# Altium PCB Layout.PcbDoc (part 1 of 2) (continued)
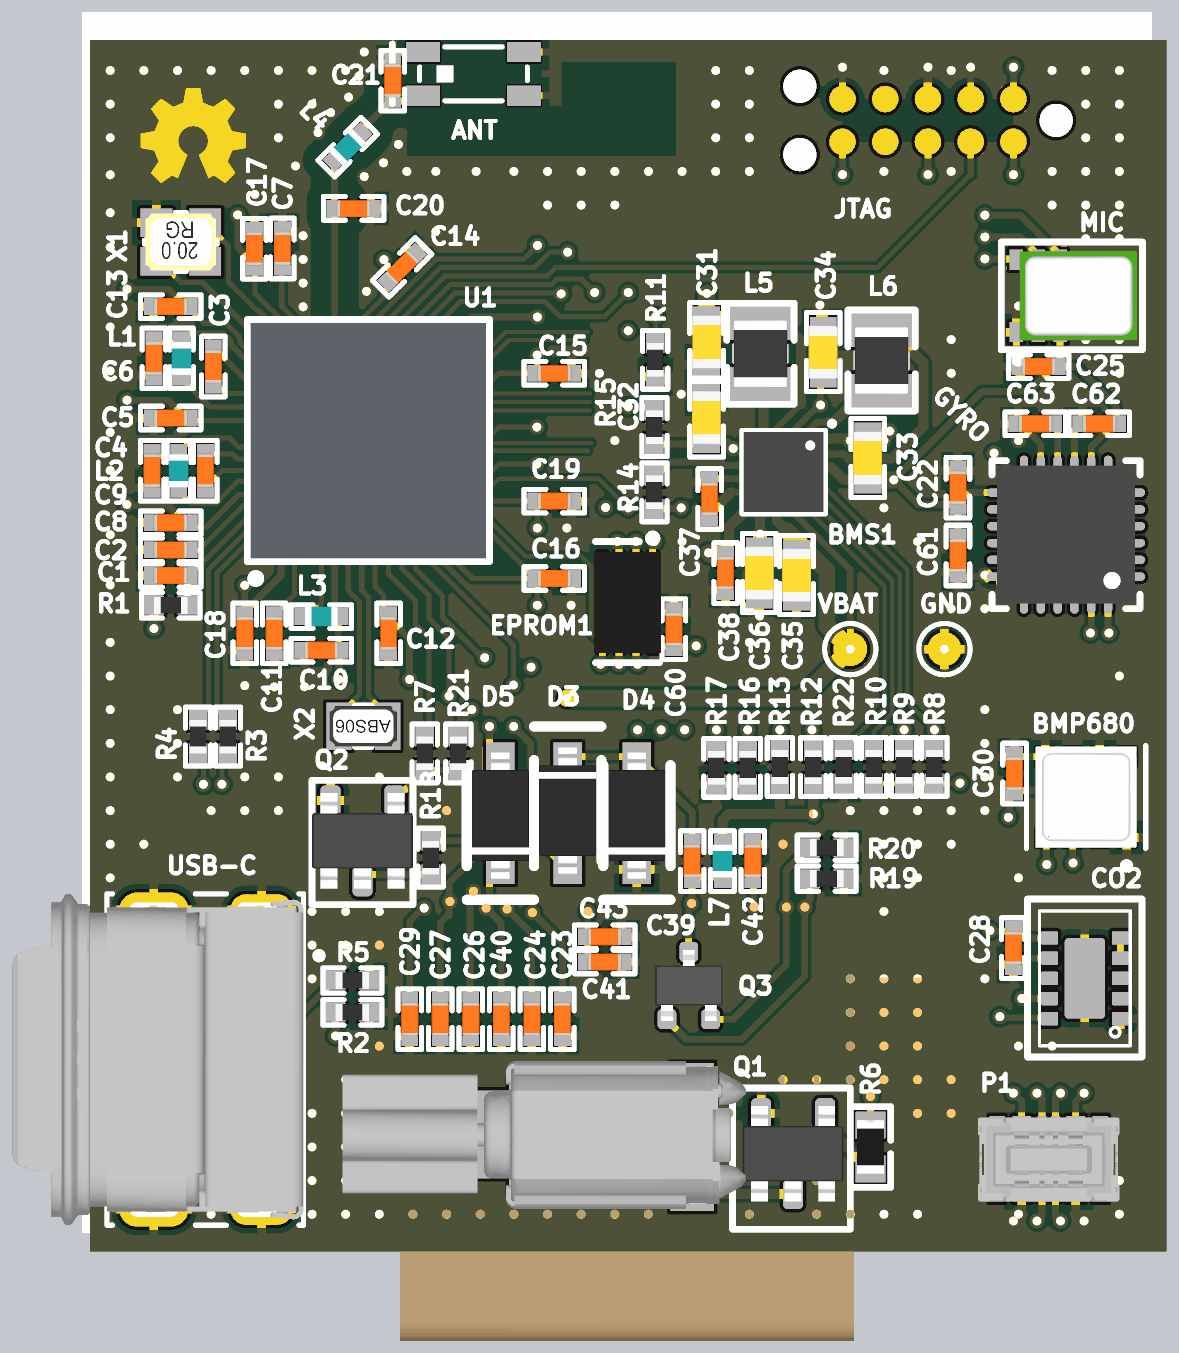
[diagram p7: 3D render of the assembled board from above, using the file's embedded part models]

## Layer stack, top to bottom
Top Solder: solder mask 0.0254, SM-001, Dk 4
Top Layer: signal copper 0.035
Dielectric 1: prepreg 0.0711, PP-006, Dk 4.1
Dielectric 2: prepreg 0.0711, PP-006, Dk 4.1
Int1 (GND): signal copper 0.035
Dielectric 3: core 0.4572, Core-035, Dk 4.7
Int2 (Sign): signal copper 0.035
Dielectric 4: prepreg 0.0711, PP-006, Dk 4.1
Dielectric 5: prepreg 0.0711, PP-006, Dk 4.1
Int3 (Sign): signal copper 0.035
Dielectric 6: core 0.4572, Core-035, Dk 4.7
Int4 (PWR): signal copper 0.035
Dielectric 7: prepreg 0.0711, PP-006, Dk 4.1
Dielectric 8: prepreg 0.0711, PP-006, Dk 4.1
Bottom Layer: signal copper 0.035
Bottom Solder: solder mask 0.0254, SM-001, Dk 4

## Board outline
25.4,22.9 57.4,22.9 57.4,58.9 25.4,58.9

## Design rules (kind name [scope] priority, off if disabled: settings)
Clearance [All] p1: gap=0.1 ignorepadtopadclearanceinfootprint=TRUE
ComponentClearance [All] p1 off: gap=0.254 collisioncheckmode=3 verticalgap=0.254 showdistances=FALSE
DiffPairsRouting [InDifferentialPair('DiffPair')] p1: maxlimit=0.254 minlimit=0.089 mostfreqgap=0.2 toplayer_minwidth=0.089 toplayer_maxwidth=0.381 toplayer_prefwidth=0.15 midlayer1_minwidth=0.089 midlayer1_maxwidth=0.381 midlayer1_prefwidth=0.15 midlayer2_minwidth=0.089 midlayer2_maxwidth=0.381 midlayer2_prefwidth=0.15 midlayer3_minwidth=0.089 midlayer3_maxwidth=0.381 midlayer3_prefwidth=0.15 midlayer4_minwidth=0.089 midlayer4_maxwidth=0.381 midlayer4_prefwidth=0.15 bottomlayer_minwidth=0.089 bottomlayer_maxwidth=0.381 bottomlayer_prefwidth=0.15 maxuncoupledlength=12.7
HoleSize [All] p1 off: absolutevalues=TRUE maxlimit=2.54 minlimit=0.025 maxpercent=80.000 minpercent=20.000
HoleToHoleClearance [All] p1 off: gap=0.254 allowstackedmicrovias=TRUE
MatchedLengths usb [InDifferentialPair('USB')] p1: tolerance=1 checknetsindiffpair=FALSE checkdiffpairvsdiffpair=TRUE checkxsignals=TRUE checkothers=TRUE
MinimumAnnularRing [IsVia] p1 off: minimumring=0.076
MinimumSolderMaskSliver [All] p1 off: minsoldermaskwidth=0.254
NetAntennae [All] p1 off: netantennaetolerance=0
PlaneConnect [InNet('NetC11_2')] p1: planeconnectstyle=Direct reliefexpansion=0.508 reliefentries=4 reliefconductorwidth=0.254 reliefairgap=0.254
PolygonConnect [All] p1: thpad.connectstyle=Relief thpad.reliefconductorwidth=0.254 thpad.reliefentries=4 thpad.polygonreliefangle="90 Angle" thpad.airgapwidth=0.254 smdpad.connectstyle=Relief smdpad.reliefconductorwidth=0.254 smdpad.reliefentries=4 smdpad.polygonreliefangle="90 Angle" smdpad.airgapwidth=0.254 via.connectstyle=Direct via.reliefconductorwidth=0.254 via.reliefentries=4 via.polygonreliefangle="90 Angle" via.airgapwidth=0.254
PolygonConnect 3V3MCU [InNet('NetC11_2')] p2: connectstyle=Direct reliefconductorwidth=0.254 reliefentries=4 polygonreliefangle="90 Angle" airgapwidth=0.254
PolygonConnect VBUSMCU [InNet('NetC12_2')] p3: connectstyle=Direct reliefconductorwidth=0.254 reliefentries=4 polygonreliefangle="90 Angle" airgapwidth=0.254
PolygonConnect VUSB [InNet('VUSB')] p4: connectstyle=Direct reliefconductorwidth=0 reliefentries=4 polygonreliefangle="90 Angle" airgapwidth=0
PolygonConnect viagnd [InNet('GND')] p5: thpad.connectstyle=Relief thpad.reliefconductorwidth=0.254 thpad.reliefentries=4 thpad.polygonreliefangle="90 Angle" thpad.airgapwidth=0.254 smdpad.connectstyle=Relief smdpad.reliefconductorwidth=0.254 smdpad.reliefentries=4 smdpad.polygonreliefangle="90 Angle" smdpad.airgapwidth=0.254 via.connectstyle=Direct via.reliefconductorwidth=0.254 via.reliefentries=4 via.polygonreliefangle="90 Angle" via.airgapwidth=0.254
RoutingVias [All] p1: holewidth=0.2 width=0.4 viastyle="Through Hole" minholewidth=0.1 minwidth=0.2 maxholewidth=6.3 maxwidth=1.27
SilkToSilkClearance [All] p1 off: silktosilkclearance=0.254
SilkToSolderMaskClearance [IsPad] p1 off: minsilkscreentomaskgap=0.254 clearancetoexposedcopper=TRUE
SolderMaskExpansion [All] p1: expansion=0.102 istentingtop=FALSE
Width [All] p1: maxlimit=1 minlimit=0.081 preferedwidth=0.15
21 further rules are at their usual default settings.

## Classes and differential pairs
component class Display: C23 C24 C26 C27 C29 C39 C40 C41 C42 C43 D1 D2 D3 D4 D5 L7 M1 Q1 Q2 Q3 R6 R7 R18 R19 R20 R21
component class Power: BMS1 C31 C32 C33 C34 C35 C36 C37 C38 GND L5 L6 R8 R9 R10 R11 R12 R13 R14 R15 R16 R17 R22 VBAT
component class Sensors: BMP680 C22 C25 C28 C30 C60 C61 C62 C63 CO2 EPROM1 GYRO MIC
component class nRF53: ANT C1 C2 C3 C4 C5 C6 C7 C8 C9 C10 C11 C12 C13 C14 C15 C16 C17 C18 C19 C20 C21 JTAG L1 L2 L3 L4 P1 R1 R2 R3 R4 R5 U1 USB-C X1 X2
differential pair DA: +DA_P -DA_N
differential pair USB: +USB_P -USB_N

## Components (designator, comment, footprint, x,y, rotation, side; value= is the part's Value field where it differs from the comment)
ANT "2450AT18D0100" "2450AT18D0100_STD-L - Thin space" 36.8,57.9 r0 top
BMP680 "BME680" "bme680 ic" 55.013,36.4 r270 top locked
BMS1 "ADP5360ACBZ-2-R7" BGA32C40P6X6_238X238X56 46.019,46.061 r270 top locked value=ADP536x
C1 "4.7uF" C0402 27.8,42.989 r0 top value=100pF
C2 "4.7uF" C0402 27.8,43.751 r0 top value=100pF
C3 "100nF" C0402 29.065,49.199 r270 top value=100pF
C4 "1uF" C0402 28.829,46.101 r90 top value=100pF
C5 "1uF" C0402 27.8,47.67 r0 top value=100pF
C6 "1uF" C0402 27.3,49.444 r90 top value=100pF
C7 "2.2nF" C0402 31.119,52.71 r270 top value=100pF
C8 "1uF" C0402 27.8,44.557 r0 top value=100pF
C9 "1uF" C0402 27.247,46.101 r90 top value=100pF
C10 "2.2uF" C0402 32.277,40.767 r0 top value=100pF
C11 "4.7uF" C0402 30.877,41.267 r90 top value=100pF
C12 "100nF" C0402 34.277,41.267 r90 top value=100pF
C13 "100nF" C0402 27.8,50.982 r0 top value=100pF
C14 "100nF" C0402 34.677,52.148 r225 top value=100pF
C15 "100nF" C0402 39.2,48.999 r180 top value=100pF
C16 "100nF" C0402 39.2,42.9 r180 top value=100pF
C17 "100nF" C0402 30.289,52.699 r270 top value=100pF
C18 "100nF" C0402 30,41.267 r90 top value=100pF
C19 "100nF" C0402 39.2,45.199 r180 top value=100pF
C20 "0.7pF" C0402 33.236,53.9 r180 top value=100pF
C21 "DNP" C0402 34.4,57.7 r270 top value=100pF
C22 "100nF" C0402 51.2,45.6 r90 top value=100pF
C23 "1uF" C0402 39.443,29.8 r270 top value=100pF
C24 "1uF" C0402 38.535,29.8 r270 top value=100pF
C25 "100nF" C0402 53.6,49.2 r0 top value=100pF
C26 "1uF" C0402 36.72,29.8 r270 top value=100pF
C27 "1uF" C0402 35.812,29.8 r270 top value=100pF
C28 "4.7uF" C0402 52.85,31.913 r90 top value=100pF
C29 "1uF" C0402 34.905,29.8 r270 top value=100pF
C30 "100nF" C0402 52.884,37.1 r90 top value=100pF
C31 "10uF" C0603 43.729,49.93 r90 top value=100pF
C32 "10uF" C0603 43.729,47.682 r270 top value=100pF
C33 "10uF" C0603 48.522,46.479 r270 top value=100pF
C34 "10uF" C0603 47.198,49.629 r270 top value=100pF
C35 "10uF" C0603 46.4,43 r90 top value=100pF
C36 "10uF" C0603 45.294,43.061 r90 top value=100pF
C37 "1uF" C0402 43.819,45.261 r270 top value=100pF
C38 "2.2uF" C0402 44.294,43.061 r90 top value=100pF
C39 "4.7uF" C0402 43.3,34.5 r270 top value=100pF
C40 "1uF" C0402 37.628,29.8 r270 top value=100pF
C41 "4.7uF" C0402 40.7,31.5 r0 top value=100pF
C42 "1uF" C0402 45.1,34.5 r270 top value=100pF
C43 "1uF" C0402 40.7,32.249 r0 top value=100pF
C60 "100nF" C0402 42.757,41.392 r270 top value=100pF
C61 "2.2uF" C0402 51.2,43.584 r270 top value=100pF
C62 "10nF" C0402 55.4,47.5 r0 top value=100pF
C63 "470nF" C0402 53.5,47.5 r180 top value=100pF
CO2 "CCS811B-JOPR" ccs811 54.974,31.013 r180 top locked
D1 "ER-TFT1.54-1" "IPS 1.54 inches" 45.038,36.068 r180 bottom locked
D2 "GDEW0154T8D" "E-Papaer 1.54inches" 47.124,30.734 r180 bottom locked
D3 "MBR0530" SOD-123 39.6,34.25 r90 top
D4 "MBR0530" SOD-123 41.657,37.6 r270 top
D5 "MBR0530" SOD-123 37.6,37.6 r270 top
EPROM1 "M95512-A125" M95512-A125 42.128,43.497 r270 top
GND "DNP" TP_SMD_1.0mm 50.8,40.8 r270 top
GYRO "ICM-20689" QFN50P400X400X90_HS-25N 54.414,44.203 r180 top locked
JTAG "FTSH-105-01-F-DV-K-TR" TC2050-IDC-NLFP 50.31,56.516 r180 top value="Pin Header 2x5, 1.27mm"
L1 "10uH" IND0402 28.12,49.444 r270 top value=120R/0.55A
L2 "10uH" IND0402 28.038,46.101 r270 top value=120R/0.55A
L3 "10uH" IND0402 32.277,41.767 r0 top value=120R/0.55A
L4 "2.2nH" IND0402 33.06,55.723 r225 top value=120R/0.55A
L5 "4.7uH" IND2016 45.329,49.482 r90 top value=120R/0.55A
L6 "4.7uH" IND2016 48.929,49.282 r90 top value=120R/0.55A
L7 "10uH" IND0402 44.2,34.5 r270 top value=120R/0.55A
M1 "Z43FM1B8230001L" Z43FM1B8230001L 43.3,24.65 r0 top locked
MIC "ICS-43432" MIC_ICS-43432 53.587,51.3 r90 top locked
P1 "5050040812" 5050040812 56.167,23.52 r90 top locked
Q1 "BC816-25HVL" SOT23-3 46.3,25.8 r90 top
Q2 "BC816-25HVL" SOT23-3 33.5,35.1 r90 top
Q3 "Si1308EDL" SOT323 43.2,30.8 r270 top
R1 "4R7" RES0402 27.8,42.1 r180 top value=0R
R2 "5.1K" RES0402 33.2,30 r0 top value=0R
R3 "22R" RES0402 29.5,38.2 r90 top value=0R
R4 "22R" RES0402 28.611,38.2 r90 top value=0R
R5 "5.1K" RES0402 33.2,30.95 r180 top value=0R
R6 "220R" RES0603R 48.6,26 r270 top value=0R
R7 "1K" RES0402 35.35,37.7 r270 top value=0R
R8 "10K" RES0402 50.5,37.3 r90 top value=0R
R9 "10K" RES0402 49.6,37.3 r90 top value=0R
R10 "10K" RES0402 48.7,37.3 r90 top value=0R
R11 "DNP" RES0402 42.2,49.4 r270 top value=0R
R12 "10K" RES0402 46.9,37.29 r90 top value=0R
R13 "10K" RES0402 45.905,37.295 r90 top value=0R
R14 "10K" RES0402 42.179,45.461 r90 top value=0R
R15 "10K" RES0402 42.179,47.4 r90 top value=0R
R16 "10K" RES0402 44.952,37.271 r270 top value=0R
R17 "10K" RES0402 44.021,37.271 r270 top value=0R
R18 "10R" RES0402 35.524,34.6 r90 top value=0R
R19 "10K" RES0402 47.3,33.978 r180 top value=0R
R20 "3R" RES0402 47.3,34.9 r180 top value=0R
R21 "10K" RES0402 36.35,37.7 r270 top value=0R
R22 "100K" RES0402 47.8,37.3 r270 top value=0R
U1 "nRF5340-QKAA" nRF5340 33.677,46.999 r90 top locked
USB-C "2305018-2" TE_2305018-2_2305018-2(Primary) 27.3,28.6 r270 top locked
VBAT "DNP" TP_SMD_1.0mm 48,40.8 r270 top
X1 "32MHz" XTAL_2016 28.1,52.9 r180 top
X2 "32.768kHz" XTAL_2012 33.525,38.506 r180 top

## Footprints (in the part's own frame and the unit in brackets; to place one, negate y for a bottom-side part, rotate by r counter-clockwise, add the part's x,y. Pads: shape width x height; smd on the part's side, far side on the other; paste and mask are expansions set on the pad)
"2450AT18D0100_STD-L - Thin space" [mm] "2.45GHz antenna for thin spaces"
  rect 1x0.6 smd mask+0.051: 1(-1.5,-0.65) 2(-1.5,0.65) 2(1.5,-0.65) 2(1.5,0.65)
  Top Layer pour cut-out: -1.982,-2.445 -1.982,-0.945 6.018,-0.945 6.018,-2.445
  Top Layer pour cut-out: 2.618,-2.445 2.618,0.355 6.018,0.355 6.018,-2.445
  Top Layer pour cut-out: -1.982,-2.445 -1.982,0.955 2.018,0.955 2.018,-2.445
  Bottom Layer pour cut-out: 2.618,-2.445 2.618,0.355 6.018,0.355 6.018,-2.445
  Bottom Layer pour cut-out: -1.982,-2.445 -1.982,-0.945 6.018,-0.945 6.018,-2.445
  Bottom Layer pour cut-out: -1.982,-2.445 -1.982,0.955 2.018,0.955 2.018,-2.445
  silkscreen extent -2.41,-0.89 1.6,0.89, body extent -1.61,-0.81 1.61,0.81, height 1.2
5050040812 [mm] "0.8mm height mated board to board connector"
  rect 0.45x0.55 smd: 1(1.08,3.067) 4(1.08,1.467) 5(3.18,1.467) 8(3.18,3.067)
  rect 0.45x0.26 smd: 2(1.08,2.467) 3(1.08,2.067) 6(3.18,2.067) 7(3.18,2.467)
  rect 0.3x0.45 smd: 9(1.005,3.797) 9(1.005,0.737) 9(3.255,0.737) 9(3.255,3.797)
  body extent 0.85,0.17 3.35,4.37, height 0.73
BGA32C40P6X6_238X238X56 [mm]
  round 0.21 smd: A1(-1,1) A2(-0.6,1) A3(-0.2,1) A4(0.2,1) A5(0.6,1) A6(1,1) B1(-1,0.6) B2(-0.6,0.6) B3(-0.2,0.6) B4(0.2,0.6) B5(0.6,0.6) B6(1,0.6) C1(-1,0.2) C2(-0.6,0.2) C5(0.6,0.2) C6(1,0.2) D1(-1,-0.2) D2(-0.6,-0.2) D5(0.6,-0.2) D6(1,-0.2) E1(-1,-0.6) E2(-0.6,-0.6) E3(-0.2,-0.6) E4(0.2,-0.6) E5(0.6,-0.6) E6(1,-0.6) F1(-1,-1) F2(-0.6,-1) F3(-0.2,-1) F4(0.2,-1) F5(0.6,-1) F6(1,-1)
  silkscreen extent -1.49,-1.25 1.25,1.49, body extent -1.19,-1.19 1.19,1.19, height 0.56
"bme680 ic" [mm]
  rect 0.5x0.5 smd: 1(1.2,1.2) 2(1.2,0.4) 3(1.2,-0.4) 4(1.2,-1.2) 5(-1.2,-1.22) 6(-1.2,-0.4) 7(-1.2,0.4) 8(-1.2,1.2)
  silkscreen extent -1.53,-1.77 2.14,1.77, body extent -1.5,-1.5 1.5,1.5, height 0.93
C0402 [mm]
  rect 0.6x0.5 smd: 1(-0.5,0) 2(0.5,0)
  silkscreen extent -0.9,-0.35 0.9,0.35, body extent -0.51,-0.25 0.51,0.25, height 0.5
C0603 [mm]
  rect 0.75x0.8 smd: 1(-0.675,0) 2(0.675,0)
  silkscreen extent -1.17,-0.5 1.17,0.5, body extent -0.8,-0.44 0.8,0.43, height 0.8
ccs811 [mm]
  rrect20% 0.5x0.4 smd: 1(-1.05,1.2) 2(-1.05,0.6) 3(-1.05,0) 4(-1.05,-0.6) 5(-1.05,-1.2) 6(1.05,-1.2) 7(1.05,-0.6) 8(1.05,0) 9(1.05,0.6) 10(1.05,1.2)
  rrect20% 1.2x2.4 smd: 11(0,0)
  silkscreen extent -1.7,-2.36 1.7,2.34, body extent -1.35,-2 1.35,2, height 1.11
"E-Papaer 1.54inches" [mm]
  rect 0.35x3.6 smd: 1(0,0) 2(0.5,0) 3(1,0) 4(1.5,0) 5(2,0) 6(2.5,0) 7(3,0) 8(3.5,0) 9(4,0) 10(4.5,0) 11(5,0) 12(5.5,0) 13(6,0) 14(6.5,0) 15(7,0) 16(7.5,0) 17(8,0) 18(8.5,0) 19(9,0) 20(9.5,0) 21(10,0) 22(10.5,0) 23(11,0) 24(11.5,0)
  body extent -9.85,-10.5 21.98,29.01, height 1.44
IND0402 [mm]
  rect 0.65x0.5 smd: 1(-0.475,0) 2(0.475,0)
  silkscreen extent -0.9,-0.35 0.9,0.35, body extent -0.5,-0.3 0.5,0.3, height 0.5
IND2016 [mm] "Shielded Multilayer Inductor, 1.2A, ±20%, 110mOhm, Q=10 @ 1MHz"
  rect 1x1.8 smd: 1(-0.8,0) 2(1,0)
  silkscreen extent -1.4,-1 1.6,1, body extent -0.9,-0.8 1.1,0.8, height 1
"IPS 1.54 inches" [mm]
  rect 0.35x3.6 smd: 1(7.7,0) 2(7,0) 3(6.3,0) 4(5.6,0) 5(4.9,0) 6(4.2,0) 7(3.5,0) 8(2.8,0) 9(2.1,0) 10(1.4,0) 11(0.7,0) 12(0,0)
  body extent -11.87,-11 19.52,22.78, height 1.57
M95512-A125 [mm] "SPI EPROM"
  rect 0.35x0.25 smd: 1(0,0) 2(0,-0.5) 3(0,-1) 4(0,-1.5) 5(2.625,-1.5) 6(2.625,-1) 7(2.625,-0.5) 8(2.625,0)
  rect 1.3x1.3 smd: 4(1.312,-0.75)
  silkscreen extent -0.7,-1.7 3.1,0.2, body extent -0.19,-1.75 2.81,0.25, height 0.75
MIC_ICS-43432 [mm]
  rect 0.6x0.4 smd: 1(-1.075,0.65) 2(-1.075,0) 3(-1.075,-0.65) 5(1.075,-0.65) 6(1.075,0) 7(1.075,0.65)
  rect 0.1x0.1 smd: 4(0,-2.5)
  round 0.5 hole 0.5 unplated: None(0,-1.925)
  Top Layer region: 250 vertices and 0 holes, not listed, extent -0.82,-2.75 0.82,-1.1
  silkscreen extent -2,-3.1 1.6,1.1, body extent -1.33,-2.95 1.32,0.55, height 0.98
nRF5340 [mm] "Nordic Semiconductor"
  rect 5.4x5 smd paste-5 mask+0.05: 104(0.2,0)
  round 0.4 smd paste+0.012 mask+0.05: A1(-3.2,3.2) A31(3.2,3.2) AL1(-3.2,-3.2) AL31(3.2,-3.2)
  round 0.225 smd paste+0.012 mask+0.05: A5(-2.2,3.2) A13(-0.6,3.2) A15(-0.2,3.2) A17(0.2,3.2) A19(0.6,3.2) A21(1,3.2) A23(1.4,3.2) A25(1.8,3.2) A27(2.2,3.2) AA1(-3.2,-1) AA31(3.2,-1) AB2(-2.8,-1.2) AC1(-3.2,-1.4) AC31(3.2,-1.4) AD2(-2.8,-1.6) AE1(-3.2,-1.8) AE31(3.2,-1.8) AF2(-2.8,-2) AG1(-3.2,-2.2) AG31(3.2,-2.2) AH2(-2.8,-2.4) AJ1(-3.2,-2.6) AJ31(3.2,-2.6) AK2(-2.8,-2.8) AK4(-2.4,-2.8) AK6(-2,-2.8) AK8(-1.6,-2.8) AK10(-1.2,-2.8) AK12(-0.8,-2.8) AK14(-0.4,-2.8) AK16(0,-2.8) AK18(0.4,-2.8) AK20(0.8,-2.8) AK22(1.2,-2.8) AK24(1.6,-2.8) AK26(2,-2.8) AK28(2.4,-2.8) AK30(2.8,-2.8) AL3(-2.6,-3.2) AL5(-2.2,-3.2) AL7(-1.8,-3.2) AL9(-1.4,-3.2) AL11(-1,-3.2) AL13(-0.6,-3.2) AL15(-0.2,-3.2) AL17(0.2,-3.2) AL19(0.6,-3.2) AL21(1,-3.2) AL23(1.4,-3.2) AL25(1.8,-3.2) AL27(2.2,-3.2) AL29(2.6,-3.2) B2(-2.8,2.8) B4(-2.4,2.8) B6(-2,2.8) B8(-1.6,2.8) B10(-1.2,2.8) B12(-0.8,2.8) B14(-0.4,2.8) B16(0,2.8) B18(0.4,2.8) B20(0.8,2.8) B22(1.2,2.8) B24(1.6,2.8) B26(2,2.8) B28(2.4,2.8) B30(2.8,2.8) C1(-3.2,2.6) C31(3.2,2.6) D2(-2.8,2.4) E1(-3.2,2.2) E31(3.2,2.2) F2(-2.8,2) G1(-3.2,1.8) G31(3.2,1.8) H2(-2.8,1.6) J1(-3.2,1.4) J31(3.2,1.4) K2(-2.8,1.2) L1(-3.2,1) L31(3.2,1) M2(-2.8,0.8) N1(-3.2,0.6) N31(3.2,0.6) P2(-2.8,0.4) R1(-3.2,0.2) R31(3.2,0.2) T2(-2.8,0) U1(-3.2,-0.2) U31(3.2,-0.2) V2(-2.8,-0.4) W1(-3.2,-0.6) W31(3.2,-0.6) Y2(-2.8,-0.8)
  rrect50% 1.1x1 on Top Paste: ""(-1.75,-1.8) ""(-1.75,-0.6) ""(-1.75,0.6) ""(-1.75,1.8) ""(-0.45,1.8) ""(-0.45,-0.6) ""(-0.45,0.6) ""(-0.45,-1.8) ""(0.85,1.8) ""(0.85,-0.6) ""(0.85,0.6) ""(0.85,-1.8) ""(2.15,-1.8) ""(2.15,-0.6) ""(2.15,0.6) ""(2.15,1.8)
  silkscreen extent -4.22,-3.6 3.6,3.6, body extent -3.5,-3.5 3.5,3.5, height 0.85
QFN50P400X400X90_HS-25N [mm] "QFN, 24-Leads, Body 4.00x4.00mm, Pitch 0.50mm, Thermal Pad 2.60x2.70mm, IPC Medium Density"
  oval 0.8x0.25 smd: 1(-1.95,1.25) 2(-1.95,0.75) 3(-1.95,0.25) 4(-1.95,-0.25) 5(-1.95,-0.75) 6(-1.95,-1.25) 13(1.95,-1.25) 14(1.95,-0.75) 15(1.95,-0.25) 16(1.95,0.25) 17(1.95,0.75) 18(1.95,1.25)
  oval 0.25x0.8 smd: 7(-1.25,-1.95) 8(-0.75,-1.95) 9(-0.25,-1.95) 10(0.25,-1.95) 11(0.75,-1.95) 12(1.25,-1.95) 19(1.25,1.95) 20(0.75,1.95) 21(0.25,1.95) 22(-0.25,1.95) 23(-0.75,1.95) 24(-1.25,1.95)
  rect 2.6x2.6 smd: 25(0,0)
  silkscreen extent -2.2,-2.2 2.2,2.2, body extent -2.05,-2.05 2.05,2.05, height 0.9
RES0402 [mm]
  rect 0.6x0.55 smd: 1(-0.5,0) 2(0.5,0)
  silkscreen extent -0.87,-0.38 0.88,0.38, body extent -0.5,-0.25 0.5,0.25, height 0.3
RES0603R [mm] "resistor 0603 reflow soldering"
  rect 0.8x0.9 smd: 1(-0.65,0) 2(0.65,0)
  silkscreen extent -1.2,-0.6 1.2,0.6, body extent -0.8,-0.4 0.8,0.4, height 0.45
SOD-123 [mm] "Diode"
  rect 0.85x0.85 smd: 1(0,0) 2(3.35,0)
  silkscreen extent 0.25,-1 4.25,1, body extent -0.13,-0.85 3.62,0.85, height 1.2
SOT23-3 [mm] "SOT23, 5-Leads, Body 2.95x2.80mm, Pitch 0.95mm, IPC High Density"
  rrect50% 0.9x0.6 smd: 1(1.2,-0.95) 2(-1.2,0) 3(1.2,0.95)
  silkscreen extent -2.24,-1.7 1.96,1.8, body extent -1.42,-1.5 1.42,1.5, height 1.2
SOT323 [mm] "Si1308EDL"
  rrect50% 0.6x0.559 smd: 1(1,-0.65) 2(1,0.65) 3(-1,0)
  silkscreen extent 0,-0.9 0,0.9, body extent -1.05,-1 1.05,1, height 1.1
TC2050-IDC-NLFP [mil]
  round 39 hole 39 unplated: 0(-150,0) 0(150,-40) 0(150,40)
  round 31 smd paste-196.85: 1(-100,-25) 2(-100,25) 3(-50,-25) 4(-50,25) 5(0,-25) 6(0,25) 7(50,-25) 8(50,25) 9(100,-25) 10(100,25)
  Top Layer pour cut-out: -100,25 -100,-25 100,-25 100,25
TE_2305018-2_2305018-2(Primary) [mm]
  rect 0.25x0.75 smd: A1(-3.05,3.375) A2(-2.25,3.375) A3(-1.75,3.375) A4(-1.25,3.375) A5(-0.75,3.375) A6(-0.25,3.375) A7(0.25,3.375) A8(0.75,3.375) A9(1.25,3.375) A10(1.75,3.375) A11(2.25,3.375) A12(3.05,3.375) B1(3,2.125) B2(2.5,2.125) B3(2,2.125) B4(1.5,2.125) B5(1,2.125) B6(0.5,2.125) B7(-0.5,2.125) B8(-1,2.125) B9(-1.5,2.125) B10(-2,2.125) B11(-2.5,2.125) B12(-3,2.125)
  rect 0.3x0.75 smd: G1(-3.55,3.375) G2(3.55,3.375)
  oval 1.025x2.05 hole 0.45 slot 1.45 at 90 deg: S1(-4.45,0) S2(4.45,0)
  oval 0.925x1.85 hole 0.45 slot 1.45 at 90 deg: S3(-4.45,3.2) S4(4.45,3.2)
  silkscreen extent -4.92,-1.4 4.92,5.01, body extent -4.92,-4.2 4.92,4.45, height 3.53
TP_SMD_1.0mm [mm]
  round 1 smd paste-5: 1(0,0)
  silkscreen extent -0.76,-0.76 0.76,0.76
XTAL_2012 [mm]
  rect 0.75x1.4 smd: 1(-0.725,0) 2(0.725,0)
  silkscreen extent -0.24,-0.6 0.24,0.6, body extent -1,-0.61 1,0.61, height 0.6
XTAL_2016 [mm]
  rect 0.95x0.85 smd: 1(-0.725,-0.575) 2(0.725,-0.575) 3(0.725,0.575) 4(-0.725,0.575)
  silkscreen extent -1.08,-0.88 1.08,0.88, body extent -1.05,-0.85 1.05,0.85, height 0.56
Z43FM1B8230001L [mm] "SMD Vibration Motor"
  rect 1.3x1.1 smd: 1(0,0) 2(0,3.3)
  rect 1x1 smd: 3(-5.895,0.918) 3(-5.895,2.528)
  rect 4.3x3.4 smd: 3(-3.3,1.65)
  rect 1.5x0.6 smd: 3(-0.46,1.65)
  body extent -10.39,-0.49 1.61,3.91, height 3.48

## Part data
ANT: "2.45 GHz chip antenna", Manufacturer="Johanson Technology", Part Number="Johanson 2450AT18D0100_STD-L", Part number IPS=N.A., Supplier Part Number 1=2450AT18D0100E, Artikkelnr Noca=53059035, ComponentLink1Description=Datasheet, ComponentLink2Description="Supplier link", Footprint Doc=2450AT18D0100, HelpURL=http://www.johansontechnology.com/datasheets/antennas/2450AT18D0100.pdf, LatestRevisionDate=2016-06-02, Manufacturer Part Number=2450AT18D0100, Pin Count=4, Published=2016-01-12, Publisher="Nordic Semiconductor", Supplier 1=Digi-Key, Supplier 2=Mouser, Supplier Part Number 2=609-2450AT18D0100E
BMP680: "Gas, Humidity, Pressure, Temperature Sensor IÂ²C, SPI Output", Package="LGA-8 Bosch Tools", Supplier Part Number 1=828-1077-1-ND, ComponentLink1Description=Datasheet, ComponentLink1URL=https://www.bosch-sensortec.com/products/environmental-sensors/gas-sensors-bme680/, Digi-Key_Part_Number=828-1077-1-ND, Digi-Key_Purchase_URL=https://www.digikey.com/product-detail/en/bosch-sensortec/BME680/828-1077-1-ND/7401321?utm_source=snapeda&utm_medium=aggregator&utm_campaign=symbol, MF="Bosch Sensortec", MP=BME680, SnapEDA_Link=https://www.snapeda.com/parts/BME680/Bosch%20Sensortec/view-part/947201/?ref=snap, Supplier 1=Digi-Key
BMS1: "Advanced Battery Management PMIC With Ultralow Iq Buck and Buck-Boost. Order: ADP5360ACBZ-2-R7", Manufacturer="Analog Devices", Manufacturer Part Number=ADP536x, Part number IPS=80000001823, Artikkelnr Noca=N.A., ComponentLink1Description=Datasheet, ComponentLink2Description="Supplier link", Footprint Doc=WLCSP-32, LatestRevisionDate=2019-03-25, Part Number=ADP536x, Pin Count=32, Published=2019-03-25, Publisher="Nordic Semiconductor"
C1 C2 C3 C4 C5 C6 C7 C8 C9 C10 C11 C12 C13 C14 C15 C16 C17 C18 C19 C20 C21 C22 C23 C24 C25 C26 C27 C28 C29 C30 C31 C32 C33 C34 C35 C36 C37 C38 C39 C40 C41 C42 C43 C60 C61 C62 C63: library part CAP, "Capacitor", Published=8-Jun-2000, Publisher="Altium Limited", Revision="July-2002: Re-released for DXP Platform."
CO2: library part CCS811, "CO2 and VOC sensor", Supplier Part Number 1=CCS811B-JOPR5KCT-ND, ComponentLink1Description=Datasheet, ComponentLink1URL=https://ams.com/ccs811, Manufacturer Part Number=CCS811, Supplier 1=Digi-Key
D1: library part "IPS 1.54 inch", "IPS display 1.54 inch SPI"
D2: library part "E-Paper 1.54 inch", "E-Paper 1.54 inch with integrated driver"
D3 D4 D5: library part Diode, "Switch-mode Schottky / Power Rectifier / 250 V, 40 A"
EPROM1: library part "Flash SPI", "EPROM M95512-A125 512K", Supplier Part Number 1=363-GD25Q16CEIGR, Supplier 1=Mouser
GND VBAT: library part TP
GYRO: "ICM-20689 6 aksis gyro"
JTAG: "Pin Header 2x5, 1.27mm (50mil), SMD, Keying Shroud", Manufacturer=W-CON, Manufacturer Part Number=3132-10MS0BK00R1, Part Number="Pin Header 2x5 SMD, 1.27mm, KS", Part number IPS=N.A., Artikkelnr Noca=55010009, ComponentLink1Description=Datasheet, ComponentLink2Description="Supplier link", Footprint Doc=HDR_2x5-SMD-1.27mm, HelpURL=\\hizz\pro\app9717\Datasheet\connectores\W-CON\3132-XXMXXBK00XX.pdf, LatestRevisionDate=2016-04-21, Pin Count=10, Published=2016-01-22, Publisher="Nordic Semiconductor", Supplier 1=Cabcon, Supplier 2=Samtec, Supplier Part Number 1=3132-10MS0BK00R1, Supplier Part Number 2=FTSH-105-01-F-DV-K
L1 L2 L3 L4 L5 L6 L7: "Inductor", Manufacturer=Murata, Manufacturer Part Number=BLM15AG121SN1D, Part Number=FB0402-120R@100M-500mA, Part number IPS=N.A., Artikkelnr Noca=33029317, ComponentLink1Description=Datasheet, ComponentLink2Description="Supplier link", Footprint Doc=0402, HelpURL=http://search.murata.co.jp/Ceramy/image/img/PDF/ENG/L0110S0100BLM15A_SN.pdf, LatestRevisionDate=2014-01-10, Note="Chip EMIFIL Inductor Type Chip Ferrite Bead", Pin Count=2, Published=2011-11-14, Publisher="Nordic Semiconductor"
M1: library part "Vibration Motor", "SMD Vibration Motor / https://www.vibration-motor.com/cylindrical-vibrator-motors/smt-surface-mount-reflow/z43fm1b8230001l", ComponentLink1Description=Manufacturer, ComponentLink1URL=https://www.vibration-motor.com/cylindrical-vibrator-motors/smt-surface-mount-reflow/z43fm1b8230001l
MIC: "50Hz ~ 20kHz Digital, IÂ²S Microphone MEMS _Silicon_ 1.62V ~ 3.63V Omnidirectional _-26dB Â±1dB @ 94dB SPL_ Solder Pads", Package="LGA-7 TDK-InvenSense", Supplier Part Number 1=1428-1053-1-ND, Availability=Unavailable, MF="TDK InvenSense", MP=ICS-43432, Price=None, SnapEDA_Link=https://www.snapeda.com/parts/ICS-43432/TDK%20InvenSense/view-part/63105/?ref=snap, Supplier 1=Digi-Key
P1: library part "8 Pin Connector", "Generic 8 pin connector, see footprint for MPN"
Q1 Q2 Q3: library part Transistor, "N-Channel 20V 100mA _Ta_ 150mW _Ta_ Surface Mount VMT3", Package="SOT-723 Rohm", Digi-Key_Part_Number=RUM001L02T2CLCT-ND, Digi-Key_Purchase_URL=https://www.digikey.com/product-detail/en/rohm-semiconductor/RUM001L02T2CL/RUM001L02T2CLCT-ND/4571412?utm_source=snapeda&utm_medium=aggregator&utm_campaign=symbol, MF=Rohm, MP=RUM001L02T2CL, SnapEDA_Link=https://www.snapeda.com/parts/RUM001L02T2CL/Rohm/view-part/531428/?ref=snap
R1 R2 R3 R4 R5 R6 R7 R8 R9 R10 R11 R12 R13 R14 R15 R16 R17 R18 R19 R20 R21 R22: "Resistor, ±5%, 0.05W", Part Number=R0201-0R, Part number IPS=00000003245, Artikkelnr Noca=N.A., ComponentLink1Description=Datasheet, ComponentLink2Description="Supplier link", Footprint Doc=0201, LatestRevisionDate=2017-11-09, Note="Chip Res 5%", Pin Count=2, Published=2014-11-13, Publisher="Nordic Semiconductor"
U1: "Multi-protocol Bluetooth Low Energy, IEEE 802.15.4, ANT and 2.4GHz proprietary system-on-chip", Manufacturer="Nordic Semiconductor", Part Number=nRF5340-QKAADA, Part number IPS=N.A., Artikkelnr Noca=N.A., ComponentLink1Description=Datasheet, ComponentLink2Description="Supplier link", Footprint Doc=AQFN-98, LatestRevisionDate=2019-03-28, Pin Count=98, Published=2017-01-09, Publisher="Nordic Semiconductor", Supplier 1="Nordic Semiconductor", Supplier Part Number 1=nRF5340-QKAADA
USB-C: library part "IPX8 USBC", "TYPE C Right Angle Sealable SMT IPX8 3.1 GEN 2 Wire to Board USB", Package=None, Availability=Unavailable, MF="TE Connectivity", MP=2305018-2, Price=None, SnapEDA_Link=https://www.snapeda.com/parts/2305018-2/TE%20Connectivity%20AMP%20Connectors/view-part/?ref=snap, TE_purchase_URL=https://www.te.com/usa-en/product-2305018-2.html?te_bu=Cor&te_type=disp&te_campaign=seda_glo_cor-seda-global-disp-prtnr-fy19-seda-model-bom-cta_sma-317_1&elqCampaignId=32493
X1: "XTAL SMD 2016, 32MHz, Cl=8pF, Total Tol: ±40ppm", Part Number=XTAL_SMD2016_32MHz_8pF_General, Footprint Doc=XTAL_2016, LatestRevisionDate=2016-08-19, Pin Count=4, Published=2016-08-19, Publisher="Nordic Semiconductor"
X2: "XTAL SMD 32.768kHz, 9pF, ±20ppm", Manufacturer=NDK, Manufacturer Part Number=NX3215SA-32.768K-STD-MUA-9, Part Number=XTAL_SMD3215_32.768kHz_9pF_NDK, Part number IPS=N.A., Supplier Part Number 1=535-11937-6-ND, Artikkelnr Noca=22010049, ComponentLink1Description=Datasheet, ComponentLink2Description="Supplier link", Footprint Doc=XTAL_3215, LatestRevisionDate=2017-10-23, Note="XTAL SMD 32.768kHz", Pin Count=2, Published=2017-10-23, Publisher="Nordic Semiconductor", Supplier 1=Digi-Key

## Via types
v1: diameter 0.45, hole 0.25, Top Layer to Bottom Layer, tented both sides, 343 vias
v2: diameter 0.2, hole 0.1, Top Layer to Int1 (GND), tented both sides, 33 vias
v3: diameter 0.61, hole 0.305, Top Layer to Bottom Layer, tented both sides, 16 vias
v4: diameter 0.45, hole 0.25, Top Layer to Bottom Layer, 1 vias

## Nets (pads, with @x,y where several pads share a name; then routed paths per layer and width w, separated by ;. In a path a pad name is that pad's centre, name@x,y a point inside that pad or via, vN(x,y) a via of type N, cw(c..) or ccw(c..) an arc to the next point about the centre after c; other vN are vias at no path point)
1V8: BMS1.D1 C31.2 L5.2 P1.5 | length 37.4
  Top Layer w0.2: BMS1.D1@45.819,47.061 45.821,47.063 45.821,47.373 46.529,48.082 ; P1.5@54.7,26.7 54.7,27.35 v1(54.95,27.6)
  Top Layer w0.3: L5.2@45.419,50.561 45.849,50.132 46.354,50.132 46.529,49.956 46.529,48.082
  Top Layer w0.5: C31.2@43.729,50.605 43.729,51.368 v1(43.737,51.375) ; C31.2@43.854,50.607 44.326,50.607 ; L5.2@45.314,50.466 L5.2@45.319,50.461
  Int4 (PWR) w0.5: v1(43.737,51.375) 44.881,51.375 46.856,49.4 48.379,49.4 54.2,43.579 54.2,40.5 55.7,39 55.7,28.35 v1(54.95,27.6)
3V3: BMP680.2 BMP680.6 BMP680.8 BMS1.A3 C22.1 C25.2 C28.2 C30.1 C33.2 C41.1 C43.1 C61.1 C62.2 CO2.6 D1.3 D1.4 D2.15 D2.16 GYRO.8 GYRO.13 L7.1 M1.2 MIC.3 R12.1 R13.1 R21.1 | length 90.7
  Top Layer w0.2: C41.1@40.2,31.5 C43.1@40.2,32.249 v1(40.2,33) ; C61.1@51.2,44.084 C22.1@51.2,45.1 ; v1(52.151,32.437) 52.175,32.413 C28.2@52.85,32.413 ; GYRO.13@52.464,45.453 51.503,45.453 51.2,45.15 C22.1@51.2,45.1 ; v1@52.734,36.018 52.734,36.45 C30.1@52.884,36.6 ; C28.2@53,32.397 53,32.363 53.15,32.213 CO2.6@53.924,32.213 ; C30.1@53,36.6 53.613,36.6 54.113,37.1 ; MIC.3@54.237,50.225 54.237,49.337 C25.2@54.1,49.2 ; BMP680.6@54.613,37.6 54.113,37.1 ; GYRO.8@55.164,46.153 55.164,46.814 55.85,47.5 C62.2@55.9,47.5 55.9,48.028 54.728,49.2 C25.2@54.1,49.2 ; BMP680.2@55.413,35.2 55.413,36.6 ; BMP680.8@56.213,37.6 55.413,36.8 55.413,36.6 ; C22.1@51.2,45.1 50.026,45.1 v1(49.294,45.832) 51.924,48.461 53.311,48.461 54.05,49.2 C25.2@54.1,49.2 ; 54.113,37.1 54.613,36.6 55.413,36.6
  Top Layer w0.203: BMS1.A3@47.019,46.261 47.02,46.26 47.371,46.26 47.424,46.207
  Top Layer w0.3: R21.1@36.35,38.2 36.454,38.304 36.454,38.707 v1(36.748,39.001) ; M1.2@43.3,27.95 43.4,27.95 44.321,27.029 44.371,27.029 v1(44.4,27) ; L7.1@44.2,34.975 44.2,35.725 44.376,35.901 45.905,35.901 ; R13.1@45.905,36.795 45.905,35.901 ; R12.1@46.9,36.79 46.9,35.902 v1(46.901,35.901) 45.905,35.901 ; 47.424,46.207 47.8,45.832 48.494,45.832 C33.2@48.522,45.804
  Top Layer w0.5: C33.2@48.429,45.932 48.554,45.807 48.579,45.832 v1(49.294,45.832)
  Int3 (Sign) w0.3: v1(44.4,27) 44.4,32
  Int3 (Sign) w0.5: v1(40.2,33) 41.2,32 44.4,32 47.5,32 ; v1(46.901,35.901) 47.5,35.302 47.5,32 ; v1@52.301,32.421 51.161,33.561 ; v1(52.7,35.8) 52.7,35.1 51.161,33.561 ; 47.5,32 49.6,32 51.161,33.561
  Int4 (PWR) w0.5: v1(49.294,45.832) 52.7,42.426 v1(52.7,35.8)
  Bottom Layer w0.2: v1(36.748,39.001) 38.358,39.001 38.738,38.621 D1.3@38.738,36.068 38.738,33.762 39.624,32.876 ; D1.4@39.438,36.068 39.438,33.762 v1(40.2,33) ; D2.16@39.624,30.734 39.624,32.876 ; D2.15@40.199,30.809 40.199,32.55 40.2,32.551 v1(40.2,33) ; 39.624,32.876 39.7,32.952 40.152,32.952 v1(40.2,33)
ADP_INT: BMS1.A6 R10.2 | length 8.4
  Top Layer w0.127: BMS1.A6@47.019,45.061 48.579,43.501 49.246,42.834 49.246,38.9 48.7,38.354 R10.2@48.7,37.8
ADP_RST: BMS1.E3 U1.AK28 | length 10.7
  Int1 (GND) w0.127: v2(36.477,49.399) 36.539,49.399 37.077,49.937 40.225,49.937 41,49.161 43.9,46.261 v2(45.419,46.261)
BUSY: D2.9 U1.M2 | length 32.1
  Int1 (GND) w0.127: v2(32.877,44.199) 32.877,42.7 33.4,42.177 33.4,26.1 34.4,25.1 v1(35.4,25.1)
  Bottom Layer w0.2: v1(35.4,25.1) 35.468,25.1 35.768,25.4 39.99,25.4 43.124,28.534 D2.9@43.124,30.734
CHG: P1.7 | length 1
  Top Layer w0.2: v1(53.55,27.6) 53.7,27.45 P1.7@53.7,26.7
D/C: D1.7 D2.11 U1.V2 | length 34.5
  Int1 (GND) w0.127: v2(34.077,44.199) 34.2,44.076 34.2,26.7 v1(34.825,26.075)
  Bottom Layer w0.2: v1(34.825,26.075) 35.594,26.075 35.719,26.2 39.78,26.2 42.124,28.544 D2.11@42.124,30.734 42.124,33.857 41.538,34.443 D1.7@41.538,36.068
D_RST: D1.11 D2.10 U1.P2 | length 36.9
  Int1 (GND) w0.127: v2(33.277,44.199) 33.277,42.7 33.8,42.177 33.8,26.3 34.441,25.659 35.391,25.659 v1(35.4,25.65)
  Bottom Layer w0.2: v1(35.4,25.65) 35.448,25.698 35.641,25.698 35.843,25.9 39.924,25.9 42.624,28.6 D2.10@42.624,30.734 42.624,33.197 43.284,33.857 43.752,33.857 44.338,34.443 D1.11@44.338,36.068
DA_N: R4.1 USB-C.A7 USB-C.B7 | length 16.2
  Top Layer w0.152: USB-C.A7@30.675,28.35 31.475,28.35 v1(31.5,28.325)
  Top Layer w0.153: R4.1@28.611,37.731 28.77,37.572 v1(28.77,36.782)
  Top Layer w0.203: v1(28.5,29.1) USB-C.B7@29.425,29.1
  Int1 (GND) w0.203: v1(28.77,36.782) 28.77,36.091 28.897,35.964 28.897,30.116 30.688,28.325 v1(31.5,28.325)
  Int4 (PWR) w0.203: v1(28.5,29.1) 29.275,28.325 v1(31.5,28.325)
DA_P: R3.1 USB-C.A6 USB-C.B6 | length 15.5
  Top Layer w0.152: USB-C.A6@30.675,28.85 31.475,28.85 v1(31.5,28.875)
  Top Layer w0.153: v1(29.32,36.782) 29.32,37.52 R3.1@29.5,37.7
  Top Layer w0.203: v1(28.496,28.111) 28.501,28.105 29.42,28.105 USB-C.B6@29.425,28.1
  Int3 (Sign) w0.203: v1(28.496,28.111) 28.511,28.111 29.275,28.875 v1(31.5,28.875)
  Int1 (GND) w0.203: v1(29.32,36.782) 29.32,35.959 29.2,35.839 29.2,30.241 30.566,28.875 v1(31.5,28.875)
E_CS: D2.12 U1.Y2 | length 27.6
  Int1 (GND) w0.127: v2(34.477,44.199) 34.477,36.096 34.454,36.074 34.454,27.146 34.809,26.791 35.083,26.517 35.383,26.517 v1(35.4,26.5)
  Bottom Layer w0.2: v1(35.4,26.5) 39.655,26.5 41.624,28.469 D2.12@41.624,30.734
ENCHG: BMS1.F3 R14.2 | length 3.1
  Top Layer w0.203: R14.2@42.144,45.861 42.184,45.861 42.353,46.03 42.353,46.07 42.644,46.361 44.15,46.361 44.25,46.261 BMS1.F3@45.019,46.261
EPROM_CS: EPROM1.1 U1.AK14 | length 7.8
  Top Layer w0.2: EPROM1.1@42.128,43.497 42.128,43.95 v1(42.178,44)
  Int1 (GND) w0.127: v2(36.477,46.599) 37.331,46.599 38.069,45.861 41.228,45.861 42.178,44.911 v1(42.178,44)
GDR: D2.2 Q3.1 R19.2 | length 10.5
  Top Layer w0.2: Q3.1@42.55,29.8 42.55,29.78 43.129,29.2 44.765,29.2 46.649,31.084 v1(46.649,33.13) 46.649,33.198 46.8,33.349 R19.2@46.8,33.978
  Bottom Layer w0.2: D2.2@46.624,30.734 v1@46.624,33.105
  Bottom Layer w0.3: v1@46.624,33.105 v1(46.649,33.13)